# Altium PCB LimeSDR_1v2.PcbDoc (part 6 of 9)
Units mm, origin at the board's own origin, x right, y up, seen from the top; angles counter-clockwise.
Board outline 100 x 60 mm, 12 copper layers (Top, L2, L3, L4, L5, L6, L7, L8, L9, L10, L11, Bottom), stack 1.58 mm thick; 795 components, 584 nets, 3859 pads, 2074 vias.
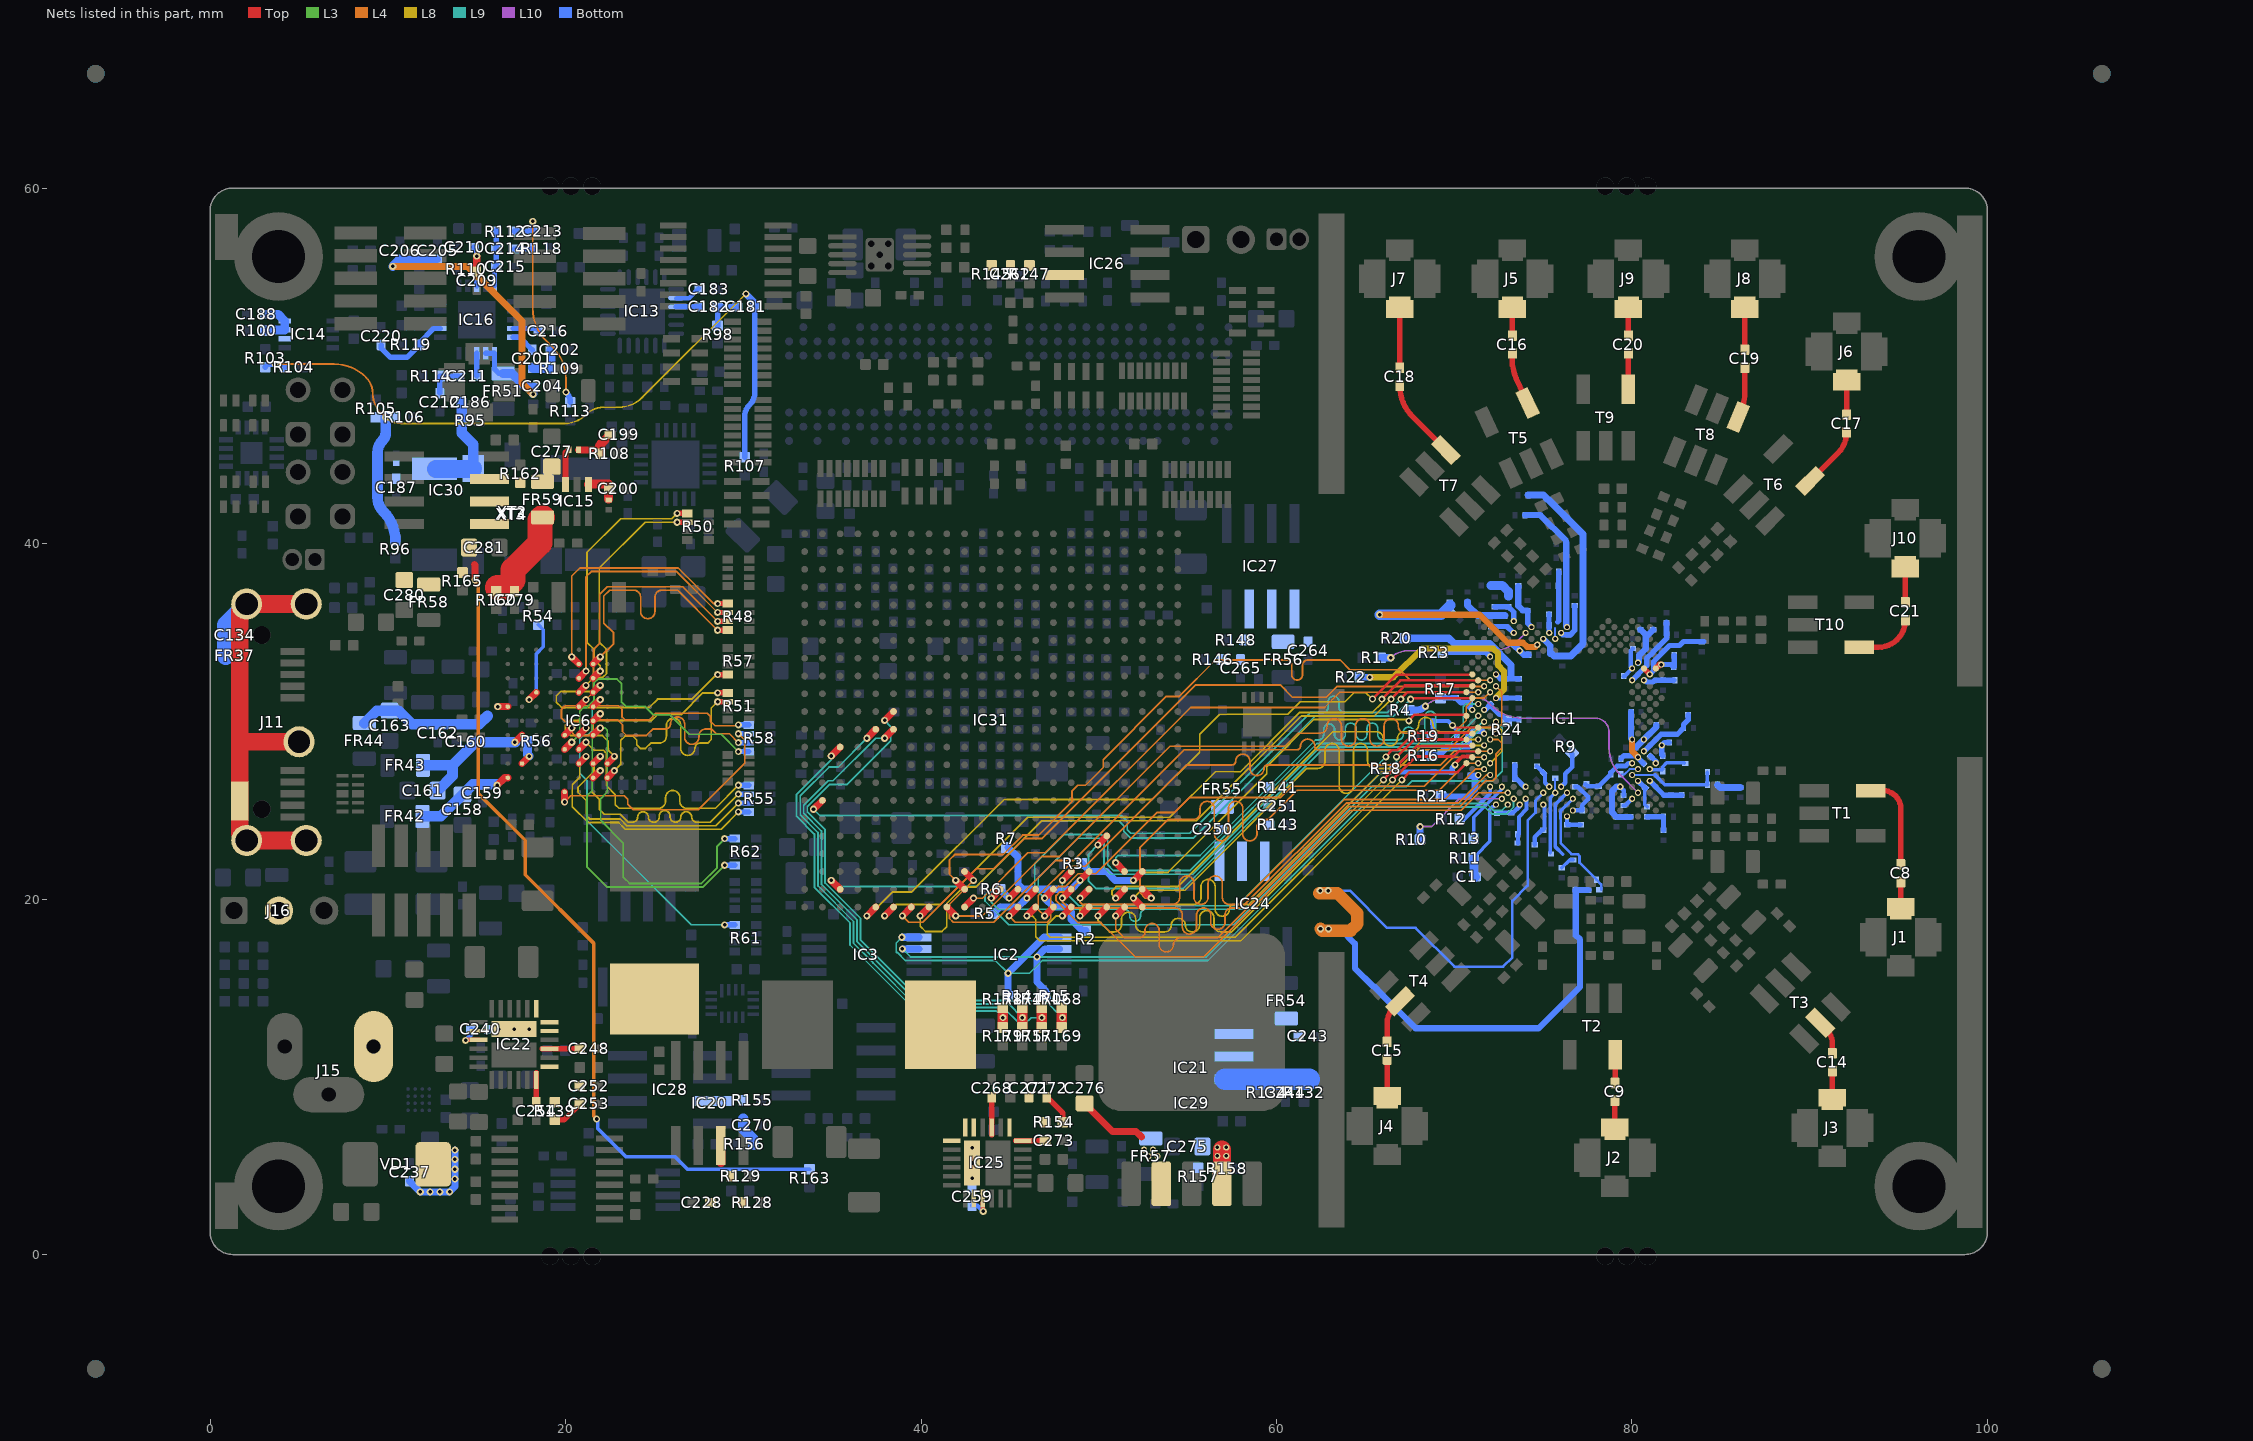
[diagram p16: the nets of this part, all layers, seen from the top]

## Via types
v1: diameter 0.4, hole 0.2, Top to Bottom, tented both sides, 1226 vias
v2: diameter 0.4, hole 0.2, Top to Bottom, tented top, 420 vias
v3: diameter 0.4, hole 0.2, Top to Bottom, 281 vias
v4: diameter 0.35, hole 0.2, Top to Bottom, tented top, 86 vias
v5: diameter 0.35, hole 0.2, Top to Bottom, tented both sides, 41 vias
v6: diameter 0.5, hole 0.2, Top to Bottom, tented both sides, 20 vias

## Nets (pads, with @x,y where several pads share a name; then routed paths per layer and width w, separated by ;. In a path a pad name is that pad's centre, name@x,y a point inside that pad or via, vN(x,y) a via of type N, cw(c..) or ccw(c..) an arc to the next point about the centre after c; other vN are vias at no path point) (continued)
LMS_DIQ1_D4: IC1.AD30 IC31.B13 | length 39.9
  Top w0.4: v2(41.95,21.05) IC31.B13@42.45,20.55
  L4 w0.1: v2(41.95,21.05) 41.6,21.4 41.6,22.212 41.888,22.5 44.612,22.5 45.712,23.6 46.608,23.6 48.5,25.492 48.5,26.095 48.805,26.4 49.25,26.4 50.25,27.4 50.25,27.845 53.805,31.4 54.517,31.4 56.567,33.45 60.55,33.45 cw(c60.55,33.146) 60.854,33.146 60.854,32.624 ccw(c61.158,32.624) 61.158,32.32 ccw(c61.158,32.624) 61.462,32.624 61.462,33.146 cw(c61.766,33.146) 61.766,33.45 63.425,33.45 63.575,33.45 64.125,32.9 66.925,32.9 67.518,32.307 v4(72.014,32.307)
LMS_DIQ1_D5: IC1.AC29 IC31.C13 | length 42.1
  Top w0.4: IC31.C13@42.45,21.55 v2(42.95,21.05)
  L4 w0.1: v2(42.95,21.05) 41.6,19.7 41.6,18.905 41.805,18.7 44.095,18.7 47.57,22.175 48.58,22.175 54.805,28.4 60.95,28.4 61.15,28.4 ccw(c61.15,28.6) 61.35,28.6 cw(c61.75,28.6) 61.75,29 cw(c61.75,28.6) 62.15,28.6 ccw(c62.35,28.6) 62.35,28.4 62.55,28.4 69.697,28.4 70.949,29.651 72.482,29.651 72.672,29.842 72.672,31.649 v4(72.347,31.974)
LMS_DIQ1_D6: IC1.AE33 IC31.A18 | length 41.3
  Top w0.15: v1@65.39,31.265 66.748,32.623 70.998,32.623 IC1.AE33@71.015,32.64
  Top w0.4: v2(36.95,19.05) IC31.A18@37.45,19.55
  L8 w0.1: v2(36.95,19.05) 37.058,19.05 38.408,20.4 39.475,20.4 44.675,25.6 53.005,25.6 55.675,28.27 55.675,29.28 56.795,30.4 60.642,30.4 61.342,31.1 63.85,31.1 64.361,31.611 65.02,31.611 65.375,31.255 v1(65.4,31.255)
LMS_DIQ1_D7: IC1.AD32 IC31.A17 | length 39.7
  Top w0.11: 70.74,32.307 IC1.AD32@71.348,32.307
  Top w0.15: v1(65.925,31.25) 65.925,31.255 66.977,32.307 68.512,32.307 70.74,32.307
  Top w0.4: v2(37.95,19.05) IC31.A17@38.45,19.55
  L8 w0.1: v2(37.95,19.05) 38.6,19.7 41.1,19.7 46,24.6 54,24.6 56.567,27.167 57.975,27.167 61.308,30.5 65.4,30.5 65.925,31.025 v1(65.925,31.25)
LMS_DIQ1_D8: IC1.AC31 IC31.A16 | length 39.7
  Top w0.4: v2(38.95,19.05) IC31.A16@39.45,19.55
  L4 w0.1: v2(38.95,19.05) 39.3,18.7 40.105,18.7 42.3,20.895 42.453,21.047 43.105,21.7 44.095,21.7 45.795,23.4 46.8,23.4 55.45,32.05 60.2,32.05 60.9,31.35 62.8,31.35 63.416,31.966 71.673,31.966 v4(71.681,31.974)
LMS_DIQ1_D9: IC1.AC33 IC31.A15 | length 39
  Top w0.15: v1(66.45,31.25) 67.216,32.016 70.973,32.016 IC1.AC33@71.015,31.974
  Top w0.4: v2(39.95,19.05) IC31.A15@40.45,19.55
  L8 w0.1: v2(39.95,19.05) 39.95,18.475 40.25,18.175 41.175,18.175 41.45,18.45 41.45,19.75 42.375,20.675 43.07,20.675 46.795,24.4 55.491,24.4 61.391,30.3 65.5,30.3 v1(66.45,31.25)
LMS_DIQ1_D10: IC1.AB30 IC31.A14 | length 42.2
  Top w0.4: IC31.A14@41.45,19.55 v2(41.95,19.05)
  L4 w0.1: v2(41.95,19.05) 43.455,19.05 46.805,22.4 47.805,22.4 54.005,28.6 60.475,28.6 61.207,29.332 62.45,29.332 ccw(c62.45,29.732) 62.85,29.732 62.85,29.75 cw(c63.25,29.75) 63.25,30.15 cw(c63.25,29.75) 63.65,29.75 63.65,29.332 63.65,29 ccw(c64.05,29) 64.05,28.6 ccw(c64.05,29) 64.45,29 64.45,29.332 64.45,29.75 cw(c64.85,29.75) 64.85,30.15 cw(c64.85,29.75) 65.25,29.75 65.25,29.332 65.25,29 ccw(c65.65,29) 65.65,28.6 ccw(c65.65,29) 66.05,29 66.05,29.332 66.05,29.75 cw(c66.45,29.75) 66.45,30.15 cw(c66.45,29.75) 66.85,29.75 66.85,29.732 ccw(c67.25,29.732) 67.25,29.332 67.375,29.332 69.96,29.332 70.675,30.048 70.675,30.825 71.166,31.316 71.689,31.316 v4(72.014,31.641)
LMS_DIQ1_D11: IC1.AB32 IC31.A13 | length 33.9
  Top w0.4: IC31.A13@42.45,19.55 v2(42.95,20.05)
  L4 w0.1: v2(42.95,20.05) 43.455,20.05 46.005,22.6 46.995,22.6 55.17,30.775 62.7,30.775 63.566,31.641 v4(71.348,31.641)
LMS_DIQ2_D0: IC1.H30 IC31.B7 | length 32.3
  Top w0.4: v2(47.95,20.05) IC31.B7@48.45,20.55
  L4 w0.1: v2(47.95,20.05) 47.95,19.838 48.288,19.5 51.9,19.5 52.3,19.5 53.1,19.5 53.9,19.5 54.3,19.5 cw(c54.3,19.1) 54.7,19.1 54.7,18.425 ccw(c55.1,18.425) 55.1,18.025 ccw(c55.1,18.425) 55.5,18.425 55.5,19.1 cw(c55.9,19.1) 55.9,19.5 cw(c55.9,19.1) 56.3,19.1 56.3,18.698 ccw(c56.7,18.698) 56.7,18.298 ccw(c56.7,18.698) 57.1,18.698 57.1,19.1 cw(c57.5,19.1) 57.5,19.5 57.9,19.5 58.025,19.5 58.308,19.783 ; 58.262,19.737 58.308,19.783 ; v4(72.014,26.979) 71.808,26.979 70.228,25.4 63.925,25.4 58.308,19.783
LMS_DIQ2_D1: IC1.J31 IC31.B6 | length 32.2
  Top w0.4: v2(48.95,20.05) IC31.B6@49.45,20.55
  L4 w0.1: v2(48.95,20.05) 48.95,19.825 49.075,19.7 54.15,19.7 ccw(c54.15,20.1) 54.55,20.1 54.55,20.9 cw(c54.95,20.9) 54.95,21.3 cw(c54.95,20.9) 55.35,20.9 55.35,20.1 ccw(c55.75,20.1) 55.75,19.7 ccw(c55.75,20.1) 56.15,20.1 56.15,20.9 cw(c56.55,20.9) 56.55,21.3 cw(c56.55,20.9) 56.95,20.9 56.95,20.1 ccw(c57.35,20.1) 57.35,19.7 57.75,19.7 57.9,19.7 58.183,19.983 ; 57.987,19.787 58.183,19.983 ; v4(71.681,27.312) 71.187,27.312 69.475,25.6 63.8,25.6 58.183,19.983
LMS_DIQ2_D2: IC1.K30 IC31.B4 | length 31
  Top w0.4: v2(50.95,20.05) IC31.B4@51.45,20.55
  L8 w0.1: v2(50.95,20.05) 50.75,20.25 50.75,20.475 50.975,20.7 54.45,20.7 63.169,29.419 65.6,29.419 cw(c65.6,29.019) 66,29.019 ccw(c66.4,29.019) 66.4,28.619 ccw(c66.4,29.019) 66.8,29.019 cw(c67.2,29.019) 67.2,29.419 67.6,29.419 ccw(c67.6,29.819) 68,29.819 cw(c68.4,29.819) 68.4,30.219 cw(c68.4,29.819) 68.8,29.819 ccw(c69.2,29.819) 69.2,29.419 69.55,29.419 71.169,29.419 71.401,29.651 71.816,29.651 72.524,29.651 72.676,29.499 72.676,28.304 v4@72.016,27.644
  other v4: 72.014,27.645
LMS_DIQ2_D3: IC1.K32 IC31.B3 | length 32.2
  Top w0.4: IC31.B3@52.45,20.55 v2(52.95,20.05)
  L4 w0.1: v2(52.95,20.05) 52.625,20.05 52.325,20.35 52.325,22.92 53.875,24.47 55.3,24.47 ccw(c55.3,24.87) 55.7,24.87 55.7,25.1 cw(c56.1,25.1) 56.1,25.5 cw(c56.1,25.1) 56.5,25.1 56.5,24.47 56.5,23.67 ccw(c56.9,23.67) 56.9,23.27 ccw(c56.9,23.67) 57.3,23.67 57.3,24.47 57.3,25.1 cw(c57.7,25.1) 57.7,25.5 cw(c57.7,25.1) 58.1,25.1 58.1,24.47 58.1,23.67 ccw(c58.5,23.67) 58.5,23.27 ccw(c58.5,23.67) 58.9,23.67 58.9,24.07 cw(c59.3,24.07) 59.3,24.47 59.5,24.47 61.155,26.125 69.15,26.125 70.67,27.645 v4(71.348,27.645)
LMS_DIQ2_D4: IC1.L31 IC31.A10 | length 32.2
  Top w0.4: v2(44.95,19.05) IC31.A10@45.45,19.55
  L4 w0.1: v2(44.95,19.05) 45.3,18.7 47.095,18.7 47.3,18.905 47.3,20.275 47.725,20.7 48.105,20.7 48.83,21.425 49.83,21.425 53.28,24.875 54.28,24.875 55.122,25.717 60.242,25.717 60.875,26.35 68.312,26.35 69.941,27.978 v4(71.681,27.978)
LMS_DIQ2_D5: IC1.K34 IC31.A9 | length 30.7
  Top w0.15: v1(67.05,26.7) 67.494,27.144 70.18,27.144 IC1.K34@70.682,27.645
  Top w0.4: v2(45.95,19.05) IC31.A9@46.45,19.55
  L8 w0.1: v2(45.95,19.05) 46.25,19.05 46.45,18.85 46.45,17.875 46.675,17.65 58,17.65 v1(67.05,26.7)
LMS_DIQ2_D6: IC1.M30 IC31.A8 | length 32.3
  Top w0.4: v2(46.95,19.05) IC31.A8@47.45,19.55
  L4 w0.1: v2(46.95,19.05) 46.6,19.4 46.6,20.2 48.25,21.85 49.245,21.85 54.945,27.55 57.3,27.55 57.5,27.55 ccw(c57.5,27.75) 57.7,27.75 cw(c58.1,27.75) 58.1,28.15 cw(c58.1,27.75) 58.5,27.75 58.5,27.55 58.5,27.35 ccw(c58.9,27.35) 58.9,26.95 ccw(c58.9,27.35) 59.3,27.35 cw(c59.5,27.35) 59.5,27.55 59.975,27.55 69.229,27.55 69.991,28.311 v4(72.014,28.311)
LMS_DIQ2_D7: IC1.M32 IC31.A7 | length 30.9
  Top w0.11: 70.844,28.311 IC1.M32@71.348,28.311
  Top w0.15: v1(66.525,26.7) 66.675,26.85 66.675,26.855 66.895,27.075 66.9,27.075 67.844,28.019 69.951,28.019 70.244,28.311 70.844,28.311
  Top w0.4: v2(47.95,19.05) IC31.A7@48.45,19.55
  L8 w0.1: v2(47.95,19.05) 47.6,19.05 47.1,18.55 47.1,18.025 47.275,17.85 57.675,17.85 v1(66.525,26.7)
LMS_DIQ2_D8: IC1.N31 IC31.A6 | length 30.8
  Top w0.4: v2(48.95,19.05) IC31.A6@49.45,19.55
  L8 w0.1: v2(48.95,19.05) 48.95,19.425 49.225,19.7 55.35,19.7 ccw(c55.35,20.1) 55.75,20.1 55.75,20.7 cw(c56.15,20.7) 56.15,21.1 cw(c56.15,20.7) 56.55,20.7 56.55,19.7 56.55,19.434 ccw(c56.95,19.434) 56.95,19.034 ccw(c56.95,19.434) 57.35,19.434 cw(c57.616,19.434) 57.616,19.7 57.625,19.7 58.45,19.7 65.9,27.15 66.678,27.15 67.3,27.772 67.3,27.775 68.169,28.644 v4(71.681,28.644)
LMS_DIQ2_D9: IC1.N33 IC31.A5 | length 30.7
  Top w0.15: v1@66.045,26.75 67.897,28.602 71.015,28.602 IC1.N33@71.015,28.644
  Top w0.4: v2(49.95,19.05) IC31.A5@50.45,19.55
  L8 w0.1: v2(49.95,19.05) 49.95,18.8 50.6,18.15 50.875,18.15 ccw(c50.875,18.55) 51.275,18.55 51.275,18.858 cw(c51.675,18.858) 51.675,19.258 cw(c51.675,18.858) 52.075,18.858 52.075,18.55 ccw(c52.475,18.55) 52.475,18.15 52.875,18.15 53.55,18.15 53.675,18.15 53.711,18.15 ccw(c53.711,18.514) 54.075,18.514 cw(c54.475,18.514) 54.475,18.914 cw(c54.475,18.514) 54.875,18.514 ccw(c55.239,18.514) 55.239,18.15 55.275,18.15 ccw(c55.275,18.55) 55.675,18.55 55.675,18.95 cw(c56.075,18.95) 56.075,19.35 cw(c56.075,18.95) 56.475,18.95 56.475,18.55 ccw(c56.875,18.55) 56.875,18.15 57.275,18.15 57.47,18.15 57.753,18.433 57.997,18.678 v1(66.02,26.7)
LMS_DIQ2_D10: IC1.P30 IC31.A4 | length 31.8
  Top w0.4: v2(50.95,19.05) IC31.A4@51.45,19.55
  L4 w0.1: v2(50.95,19.05) 50.95,18.3 51.425,17.825 52.275,17.825 ccw(c52.275,18.15) 52.6,18.15 52.6,18.225 cw(c53,18.225) 53,18.625 cw(c53,18.225) 53.4,18.225 53.4,17.825 53.4,17.425 ccw(c53.8,17.425) 53.8,17.025 ccw(c53.8,17.425) 54.2,17.425 cw(c54.6,17.425) 54.6,17.825 56.692,17.825 64.067,25.2 70.311,25.2 71.765,26.654 72.159,26.654 72.355,26.85 72.355,28.18 72.676,28.501 72.676,28.778 72.477,28.977 v4(72.014,28.977)
LMS_DIQ2_D11: IC1.P32 IC31.A3 | length 30.8
  Top w0.4: v2(51.95,20.05) IC31.A3@52.45,19.55
  L8 w0.1: v2(51.95,20.05) 52.4,20.5 54.85,20.5 61.7,27.35 62.325,27.35 ccw(c62.325,27.75) 62.725,27.75 62.725,28.35 cw(c63.125,28.35) 63.125,28.75 cw(c63.125,28.35) 63.525,28.35 63.525,27.35 63.525,26.35 ccw(c63.925,26.35) 63.925,25.95 ccw(c63.925,26.35) 64.325,26.35 64.325,27.35 64.325,28.35 cw(c64.725,28.35) 64.725,28.75 cw(c64.725,28.35) 65.125,28.35 65.125,27.75 ccw(c65.525,27.75) 65.525,27.35 65.925,27.35 66.595,27.35 67.1,27.855 67.1,27.858 68.219,28.977 v4(71.348,28.977)
LMS_ENABLE_IQSEL1: IC1.Y32 IC31.C4 | length 33.3
  Top w0.4: v2(50.95,22.05) IC31.C4@51.45,21.55
  L9 w0.1: v2(50.95,22.05) 50.95,22.325 51.075,22.45 55.692,22.45 62.192,28.95 62.35,28.95 ccw(c62.35,29.254) 62.654,29.254 62.654,29.545 cw(c62.958,29.545) 62.958,29.849 cw(c62.958,29.545) 63.262,29.545 63.262,29.254 ccw(c63.566,29.254) 63.566,28.95 ccw(c63.566,29.254) 63.87,29.254 63.87,29.596 cw(c64.174,29.596) 64.174,29.9 cw(c64.174,29.596) 64.478,29.596 64.478,29.254 ccw(c64.782,29.254) 64.782,28.95 ccw(c64.782,29.254) 65.086,29.254 65.086,29.596 cw(c65.39,29.596) 65.39,29.9 cw(c65.39,29.596) 65.694,29.596 65.694,29.254 ccw(c65.998,29.254) 65.998,28.95 66.302,28.95 66.6,28.95 66.825,28.95 ccw(c66.825,29.254) 67.129,29.254 67.129,29.371 cw(c67.433,29.371) 67.433,29.675 cw(c67.433,29.371) 67.737,29.371 67.737,29.254 ccw(c68.041,29.254) 68.041,28.95 ccw(c68.041,29.254) 68.345,29.254 68.345,30.256 cw(c68.649,30.256) 68.649,30.56 cw(c68.649,30.256) 68.953,30.256 68.953,29.254 ccw(c69.257,29.254) 69.257,28.95 69.561,28.95 69.706,28.95 70.5,29.744 70.5,30.825 70.65,30.975 v4(71.348,30.975)
LMS_ENABLE_IQSEL2: IC1.R33 IC31.C7 | length 28.7
  Top w0.15: v1@66.15,28.025 66.5,28.375 66.796,28.375 67.774,29.352 68.95,29.352 70.973,29.352 IC1.R33@71.015,29.31
  Top w0.4: v2(47.95,21.05) IC31.C7@48.45,21.55
  L9 w0.1: v2(47.95,21.05) 47.95,20.555 48.88,19.625 57.783,19.625 66.15,27.992 v1(66.15,28)
LMS_FCLK1: IC1.AA33 IC31.B20 | length 42.3
  Top w0.15: v1@67.566,31.291 71.015,31.291 IC1.AA33@71.015,31.308
  Top w0.4: v2(34.95,21.05) IC31.B20@35.45,20.55
  L9 w0.1: v2(34.95,21.05) 35.3,20.7 43.105,20.7 46.805,24.4 49.25,24.4 51.125,24.4 51.4,24.125 51.4,23.822 51.793,23.429 55.304,23.429 62.175,30.3 66.6,30.3 v1(67.541,31.241)
LMS_FCLK2: IC1.R29 IC31.E5 | length 29.9
  Top w0.4: v2(49.95,23.05) IC31.E5@50.45,23.55
  L9 w0.1: v2(49.95,23.05) 49.425,22.525 49.425,21 49.825,20.6 54.767,20.6 62.517,28.35 70.261,28.35 71.546,29.635 72.022,29.635 v4(72.347,29.31)
LMS_I2C_SCL: IC1.C27 IC2.6 IC3.6 R15.2 | length 42.9
  L9 w0.1: v1(38.95,17.2) 39.407,16.743 v1(46.525,16.743) 56.059,16.743 64.691,25.375 71.814,25.375 72.2,24.989 72.688,24.989 v4(73.013,25.314)
  Bottom w0.4: v1(38.95,17.2) IC3.6@39.875,17.2 ; R15.2@47,14.525 47,14.85 46.525,15.325 v1(46.525,16.743) 46.982,17.2 IC2.6@47.775,17.2
LMS_I2C_SDA: IC1.D26 IC2.5 IC3.5 R14.2 | length 46.8
  L9 w0.1: v1(38.925,17.85) 38.6,17.525 38.6,17 38.655,17 39.112,16.543 44.182,16.543 v1(44.9,15.825) 46.102,15.825 46.82,16.543 56.143,16.543 64.775,25.175 71.731,25.175 72.117,24.789 72.948,24.789 73.338,25.18 73.338,25.639 v4(73.346,25.647)
  Bottom w0.4: v1(38.925,17.85) IC3.5@39.875,17.85 ; R14.2@44.9,14.525 v1(44.9,15.825) 46.925,17.85 IC2.5@47.775,17.85
LMS_MCLK1: IC1.AB34 IC31.G21 | length 42.9
  Top w0.15: v1@66.975,31.25 66.987,31.263 67.366,31.641 IC1.AB34@70.682,31.641
  Top w0.4: v2(33.95,25.05) IC31.G21@34.45,25.55
  L9 w0.1: v2(33.95,25.05) 34.3,24.7 51.275,24.7 51.6,24.375 51.6,23.905 51.805,23.7 55.125,23.7 61.925,30.5 62.297,30.5 62.601,30.5 ccw(c62.601,30.804) 62.905,30.804 62.905,31.107 cw(c63.209,31.107) 63.209,31.411 cw(c63.209,31.107) 63.513,31.107 63.513,30.804 ccw(c63.817,30.804) 63.817,30.5 64.121,30.5 64.425,30.5 66.25,30.5 v1(67,31.25)
LMS_MCLK2: IC1.P34 IC31.B11 | length 33
  Top w0.15: v1@66.75,27.975 66.763,27.988 67.752,28.977 IC1.P34@70.682,28.977
  Top w0.4: v2(43.95,20.05) IC31.B11@44.45,20.55
  L9 w0.1: v2(43.95,20.05) 43.95,19.825 44.35,19.425 50.825,19.425 51.129,19.425 51.433,19.425 cw(c51.433,19.121) 51.737,19.121 51.737,19.054 ccw(c52.041,19.054) 52.041,18.75 ccw(c52.041,19.054) 52.345,19.054 52.345,19.121 cw(c52.649,19.121) 52.649,19.425 52.953,19.425 53.561,19.425 53.65,19.425 58.175,19.425 65.8,27.05 66.425,27.05 66.75,27.375 v1(66.75,28)
LMS_RESET: IC1.E27 IC31.C6 R7.1 | length 39.4
  Top w0.4: v2(48.95,21.05) IC31.C6@49.45,21.55
  L4 w0.1: v2(48.95,21.05) 48.3,20.4 47.805,20.4 47.6,20.195 47.6,19.905 48.83,18.675 50.125,18.675 52.05,16.75 55.9,16.75 64.15,25 70.4,25 71.38,25.98 v4(73.013,25.98)
  Bottom w0.39: 47.743,20.55 48.45,20.55 v2(48.95,21.05)
  Bottom w0.4: R7.1@44.9,22.9 45.45,22.35 45.45,20.843 45.743,20.55 47.743,20.55
LMS_RXEN: IC1.V34 IC31.C3 R3.2 | length 26.9
  Top w0.15: v1@67.45,30.05 67.774,30.374 70.682,30.374 IC1.V34@70.682,30.309
  Top w0.4: v2(51.95,21.05) IC31.C3@52.45,21.55
  L8 w0.1: v2(51.95,21.05) 52.021,21.05 52.471,21.5 53.895,21.5 59.45,27.055 59.45,27.45 62.1,30.1 67.4,30.1 v1@67.45,30.05
  Bottom w0.4: R3.2@49.05,22 49.5,21.55 50.425,21.55 50.925,21.05 v2(51.95,21.05)
  other v1: 67.45,30.025
LMS_TXEN: IC1.U29 IC31.B10 R6.2 | length 39.5
  Top w0.4: v2(44.95,20.05) IC31.B10@45.45,20.55
  L9 w0.1: v2(44.95,20.05) 44.6,20.4 43.775,20.4 43.6,20.225 43.6,19.892 44.942,18.55 57.583,18.55 65.358,26.325 67.3,26.325 67.613,26.638 72.138,26.638 72.7,27.2 72.7,29.623 v4(72.347,29.976)
  Bottom w0.4: R6.2@44.45,20.55 v2(44.95,20.05)
LMS_TXNRX1: IC1.V32 IC31.B9 R5.2 | length 35.9
  Top w0.4: v2(45.95,20.05) IC31.B9@46.45,20.55
  L9 w0.1: v2(45.95,20.05) 46.4,20.5 46.4,21.995 48.03,23.625 50.153,23.625 50.5,23.278 50.5,21.925 50.825,21.6 55.125,21.6 62.275,28.75 69.789,28.75 v4(71.348,30.309)
  Bottom w0.4: R5.2@44.075,19.175 44.45,19.55 45.45,19.55 v2(45.95,20.05)
LMS_TXNRX2: IC1.U31 IC31.B8 R2.2 | length 36.5
  Top w0.4: v2(46.95,20.05) IC31.B8@47.45,20.55
  L9 w0.1: v2(46.95,20.05) 46.6,20.4 46.6,21.195 48.83,23.425 50.07,23.425 50.3,23.195 50.3,21.775 50.675,21.4 55.284,21.4 62.434,28.55 70.178,28.55 71.605,29.976 v4(71.681,29.976)
  Bottom w0.4: v2(46.95,20.05) 47.45,19.55 48.157,19.55 48.45,19.257 48.45,18.843 49.068,18.225 R2.2@49.275,18.225
MSEL0: IC31.M17 R168.1 R169.2 | length 31.2
  Top w0.4: v2(37.95,30.05) IC31.M17@38.45,30.55
  Top w0.6: R169.2@47.925,12.775 R168.1@47.925,13.875
  L9 w0.1: v2(37.95,30.05) 38.3,29.7 38.3,28.905 36.5,27.105 35.845,26.45 34.855,26.45 33.6,25.195 33.6,24.905 34.6,23.905 34.6,20.905 36.6,18.905 36.6,17.68 39.98,14.3 46.975,14.3 v1(47.95,13.325)
MSEL1: IC31.L18 R170.1 R171.2 | length 29.1
  Top w0.4: v2(36.95,29.05) IC31.L18@37.45,29.55
  Top w0.6: R171.2@46.8,12.775 v1(46.8,13.325) R170.1@46.8,13.875
  L9 w0.1: v2(36.95,29.05) 35.325,27.425 34.82,27.425 33.2,25.805 33.2,24.739 34.2,23.739 34.2,20.739 36.2,18.739 36.2,17.514 37.3,16.414 37.3,16.4 39.8,13.9 44.63,13.9 45.555,12.975 45.845,12.975 46.195,13.325 v1(46.8,13.325)
MSEL2: IC31.L17 R174.1 R175.2 | length 27.9
  Top w0.4: v2(37.95,29.05) IC31.L17@38.45,29.55
  Top w0.6: R175.2@45.7,12.775 v1(45.7,13.325) R174.1@45.7,13.875
  L9 w0.1: v2(37.95,29.05) 37.445,29.05 35.045,26.65 34.772,26.65 33.4,25.278 33.4,24.822 34.4,23.822 34.4,20.822 36.4,18.822 36.4,17.597 39.897,14.1 44.925,14.1 v1(45.7,13.325)
MSEL3: IC31.K20 R178.1 R179.2 | length 24.8
  Top w0.4: v2(34.95,28.05) IC31.K20@35.45,28.55
  Top w0.6: R179.2@44.6,12.775 v1(44.6,13.325) R178.1@44.6,13.875
  L9 w0.1: v2(34.95,28.05) 34.95,27.838 33,25.888 33,24.656 34,23.657 34,20.657 36,18.657 36,17.417 39.717,13.7 44.225,13.7 v1(44.6,13.325)
NetC1_1: C1.1 IC1.C29 R11.1 | length 4.6
  Bottom w0.2: R11.1@71.201,22.369 71.201,22.444 72.001,23.244 72.001,25.057 72.143,25.199 72.231,25.199 v4(72.347,25.314)
  Bottom w0.5: R11.1@71.1,22.3 71.1,21.351 C1.1@71.2,21.251
NetC8_1: C8.1 J1.1 | length 1.5
  Top w0.309: J1.1@95.125,19.45 J1.1@95.125,19.55 C8.1@95.125,20.95
NetC8_2: C8.2 T1.4 | length 5.4
  Top w0.309: T1.4@93.435,26.104 94.111,26.104 cw(c94.111,25.09) 95.125,25.09 C8.2@95.125,21.95
NetC9_1: C9.1 J2.1 | length 1.5
  Top w0.309: J2.1@79.04,7.15 C9.1@79.04,8.65
NetC9_2: C9.2 T2.4 | length 1.6
  Top w0.309: C9.2@79.04,9.65 ccw(c79.015,9.675) C9.2@79.051,9.675 ; C9.2@79.051,9.65 T2.4@79.051,11.244
NetC14_1: C14.1 J3.1 | length 1.5
  Top w0.309: J3.1@91.275,8.825 C14.1@91.275,10.325
NetC14_2: C14.2 T3.2 | length 1.9
  Top w0.309: T3.2@90.59,13.039 90.901,12.729 cw(c89.997,11.825) 91.275,11.825 C14.2@91.275,11.325
NetC15_1: C15.1 J4.1 | length 2.2
  Top w0.309: J4.1@66.225,8.825 J4.1@66.225,8.925 C15.1@66.225,10.975
NetC15_2: C15.2 T4.2 | length 2.5
  Top w0.309: C15.2@66.225,11.975 66.225,13.025 cw(c67.447,13.025) T4.2@66.583,13.889 ; T4.2@66.583,13.889 T4.2@66.945,14.251
NetC16_1: C16.1 J5.1 | length 1.6
  Top w0.309: C16.1@73.275,51.7 J5.1@73.275,53.2 J5.1@73.275,53.3
NetC16_2: C16.2 T5.6 | length 3
  Top w0.309: C16.2@73.275,50.7 73.275,50.025 73.375,49.6 73.475,49.3 T5.6@74.131,47.917
NetC17_1: C17.1 J6.1 | length 1.9
  Top w0.309: C17.1@92.076,47.255 J6.1@92.075,49.2
NetC17_2: C17.2 T6.6 | length 3.5
  Top w0.309: T6.6@90.025,43.527 91.597,45.099 ccw(c90.441,46.255) C17.2@92.076,46.255
NetC18_1: C18.1 J7.1 | length 3.4
  Top w0.309: C18.1@66.934,49.884 J7.1@66.934,53.325
NetC18_2: C18.2 T7.3 | length 4.7
  Top w0.309: C18.2@66.934,48.884 ccw(c69.398,48.884) 67.655,47.141 T7.3@69.527,45.269 ; T7.3@69.503,45.294 T7.3@69.527,45.269 ; T7.3@69.552,45.244 T7.3@69.527,45.269
NetC19_1: C19.1 J8.1 | length 2.4
  Top w0.309: C19.1@86.35,50.9 J8.1@86.35,53.3
NetC19_2: C19.2 T8.3 | length 2.9
  Top w0.309: T8.3@85.969,47.113 86.3,47.975 86.35,48.3 C19.2@86.35,49.9
NetC20_1: C20.1 J9.1 | length 1.7
  Top w0.309: C20.1@79.8,51.7 J9.1@79.8,53.4
NetC20_2: C20.2 T9.6 | length 2.4
  Top w0.309: T9.6@79.796,49.059 T9.6@79.796,48.682 79.796,50.696 C20.2@79.8,50.7
NetC21_1: C21.1 J10.1 | length 1.9
  Top w0.309: J10.1@95.375,38.6 95.38,38.6 C21.1@95.38,36.693
NetC21_2: C21.2 T10.6 | length 3.5
  Top w0.309: T10.6@92.784,34.168 93.855,34.168 ccw(c93.855,35.693) C21.2@95.38,35.693
NetC22_1: C22.1 C23.1 IC1.AH30 R23.2 | length 2.6
  Bottom w0.3: R23.2@69.551,33.869 71.785,33.869 v4(72.014,33.639)
NetC24_1: C24.1 C25.1 IC1.T32 R19.2 | length 4.7
  Top w0.11: v1(69.901,29.769) 70.023,29.646 IC1.T32@71.345,29.646
  Bottom w0.11: R19.2@68.751,29.319 C24.1@68.751,29.924
  Bottom w0.25: R19.2@68.751,29.319 68.781,29.349 C24.1@68.781,29.954 ; C24.1@68.781,30.044 C24.1@68.781,29.954 ; C25.1@70.131,29.219 70.131,29.539 69.651,30.019 68.846,30.019 C24.1@68.781,29.954